# KiCad board HPM6E00FULLPORTRevB.kicad_pcb (continued)
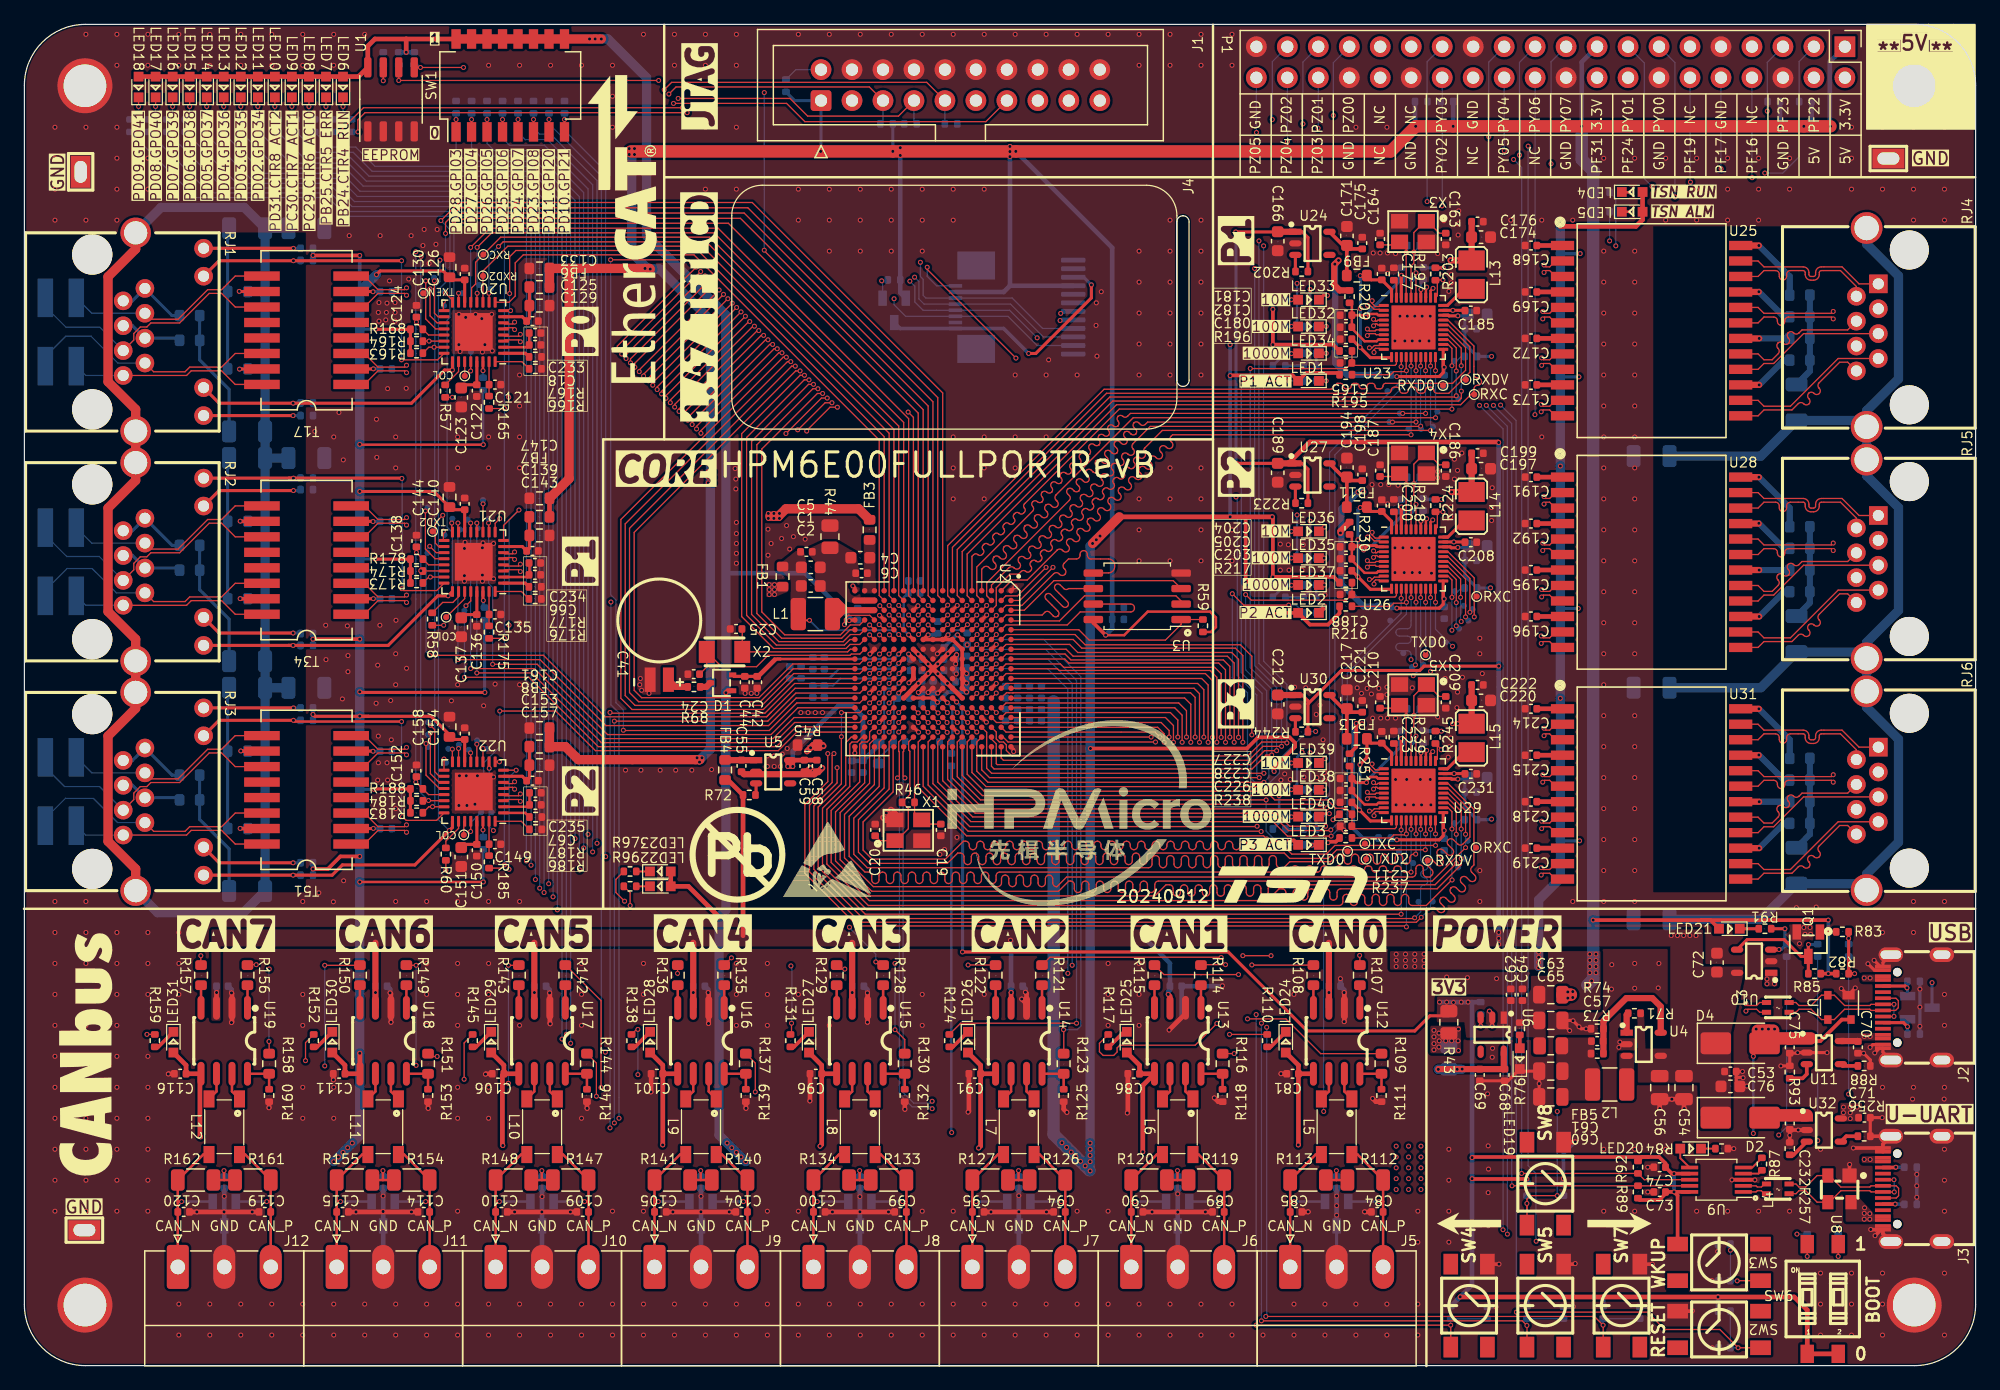
[diagram p0: board, top side]
## Placement (name value [footprint] x y rotation side) (continued)
LED36  LED_BLUE  [LED_0603]  105.3 68.42 0 top
LED37  LED_RED  [LED_0603]  105.3 64.02 0 top
LED38  LED_GREEN  [LED_0603]  105.3 47.22 0 top
LED39  LED_BLUE  [LED_0603]  105.3 49.42 0 top
LED40  LED_RED  [LED_0603]  105.3 45.02 0 top
MARK2  HPM Logo  [HPM LOGO 8]  75.68 37.72 0 top
MDC  0.5mm  [TestPoint_Pad_D0.5mm]  112.72 42.18 180 bottom
MDC#2  0.5mm  [TestPoint_Pad_D0.5mm]  111.78 79.92 180 bottom
NOREF  -  [unnamed]  4.96 104.96 0 top
NOREF#2  -  [unnamed]  4.96 4.96 0 top
NOREF#3  -  [unnamed]  154.96 104.96 0 top
NOREF#4  -  [unnamed]  154.96 4.96 0 top
P1  双排排针2.54mm-40P  [PinHeader_2x20_P2.54mm_Vertical]  149.28 108.17 270 top
Q1  2N7002  [SOT-23]  146.28 34.56 90 top
Q2  IRLML6401  [SOT-23]  71.32 86.54 90 bottom
R1  4.7K  [R_0402_1005Metric]  23.15 78.96 0 bottom
R2  4.7K  [R_0402_1005Metric]  23.15 90.64 0 bottom
R3  330Ω  [R_0402_1005Metric]  23.15 91.64 0 bottom
R4  330Ω  [R_0402_1005Metric]  23.15 77.92 0 bottom
R5  4.7K  [R_0402_1005Metric]  23.15 59.07 0 bottom
R6  4.7K  [R_0402_1005Metric]  23.15 72.79 0 bottom
R7  330Ω  [R_0402_1005Metric]  23.15 71.85 0 bottom
R8  330Ω  [R_0402_1005Metric]  23.15 60.04 0 bottom
R9  4.7K  [R_0402_1005Metric]  23.15 40.22 0 bottom
R10  4.7K  [R_0402_1005Metric]  23.15 52.92 0 bottom
R11  330Ω  [R_0402_1005Metric]  23.15 53.94 0 bottom
R12  330Ω  [R_0402_1005Metric]  23.15 41.24 0 bottom
R13  1K  [R_0402_1005Metric]  105.42 80.76 0 bottom
R14  1K  [R_0402_1005Metric]  105.42 61.74 0 bottom
R15  1K  [R_0402_1005Metric]  105.42 42.71 0 bottom
R16  1K  [R_0402_1005Metric]  130.5 96.23 0 bottom
R17  1K  [R_0402_1005Metric]  130.5 94.63 0 bottom
R18  4.7K  [R_0402_1005Metric]  44.29 103.22 270 bottom
R19  4.7K  [R_0402_1005Metric]  43.02 103.22 270 bottom
R20  4.7K  [R_0402_1005Metric]  41.75 103.22 270 bottom
R21  4.7K  [R_0402_1005Metric]  40.48 103.22 270 bottom
R22  4.7K  [R_0402_1005Metric]  39.21 103.22 270 bottom
R23  4.7K  [R_0402_1005Metric]  37.94 103.22 270 bottom
R24  4.7K  [R_0402_1005Metric]  36.67 103.22 270 bottom
R25  4.7K  [R_0402_1005Metric]  35.4 103.22 270 bottom
R26  1K  [R_0402_1005Metric]  26.82 101.69 90 bottom
R27  1K  [R_0402_1005Metric]  25.31 101.69 90 bottom
R28  1K  [R_0402_1005Metric]  23.8 101.69 90 bottom
R29  1K  [R_0402_1005Metric]  22.28 101.69 90 bottom
R30  1K  [R_0402_1005Metric]  20.77 101.69 90 bottom
R31  1K  [R_0402_1005Metric]  19.26 101.69 90 bottom
R32  1K  [R_0402_1005Metric]  17.74 101.69 90 bottom
R33  1K  [R_0402_1005Metric]  16.23 101.69 90 bottom
R34  1K  [R_0402_1005Metric]  14.72 101.69 90 bottom
R35  1K  [R_0402_1005Metric]  13.2 101.69 90 bottom
R36  1K  [R_0402_1005Metric]  11.69 101.69 90 bottom
R37  1K  [R_0402_1005Metric]  10.18 101.69 90 bottom
R38  1K  [R_0402_1005Metric]  8.66 101.69 90 bottom
R39  4.7K  [R_0402_1005Metric]  30.7 107.2 270 bottom
R40  10K  [R_0402_1005Metric]  29.43 107.2 90 bottom
R41  4.7K  [R_0402_1005Metric]  31.97 107.2 270 bottom
R42  0Ω  [R_0805_2012Metric]  116.8 25.21 90 bottom
R43  0Ω  [R_0805_2012Metric]  116.8 28.16 270 top
R44  0Ω  [R_0805_2012Metric]  66.06 67.99 270 top
R45  0Ω  [R_0603_1608Metric]  64.23 50.89 180 top
R46  1M  [R_0402_1005Metric]  72.48 46.19 0 top
R47  0Ω_0402  [R_0402_1005Metric]  37.61 80.51 90 bottom
R48  10K  [R_0402_1005Metric]  139.39 4.47 0 bottom
R49  10Ω  [R_0402_1005Metric]  76.01 49.7 90 bottom
R50  10K  [R_0402_1005Metric]  139.39 9.97 0 bottom
R51  0Ω_0402  [R_0402_1005Metric]  62.45 104.97 270 bottom
R52  0Ω_0402  [R_0402_1005Metric]  37.73 61.66 90 bottom
R53  10K  [R_0402_1005Metric]  75.99 101.84 180 bottom
R54  10K  [R_0402_1005Metric]  72.66 101.84 0 bottom
R55  10K  [R_0402_1005Metric]  70.7 101.84 180 bottom
R56  0Ω_0402  [R_0402_1005Metric]  37.63 42.84 90 bottom
R57  0Ω_0402  [R_0402_1005Metric]  34.51 79.92 270 top
R58  0Ω_0402  [R_0402_1005Metric]  33.44 61.23 270 top
R59  10K  [R_0402_1005Metric]  96.64 60.68 270 top
R60  0Ω_0402  [R_0402_1005Metric]  34.56 41.95 270 top
R68  51Ω  [R_0402_1005Metric]  54.9 55.67 0 top
R71  10K  [R_0402_1005Metric]  132.02 28.9 180 top
R72  10K  [R_0402_1005Metric]  59.44 46.8 0 top
R73  100K  [R_0402_1005Metric]  128.97 25.59 180 top
R74  22.1K  [R_0402_1005Metric]  128.97 27.63 0 top
R75  10K  [R_0402_1005Metric]  119.41 29.3 270 bottom
R76  1K  [R_0402_1005Metric]  122.62 27.63 90 top
R77  5.1K  [R_0402_1005Metric]  154.92 31.51 180 bottom
R78  5.1K  [R_0402_1005Metric]  154.67 16.27 180 bottom
R79  5.1K  [R_0402_1005Metric]  154.92 27.2 180 bottom
R80  5.1K  [R_0402_1005Metric]  154.67 13.23 180 bottom
R81  0Ω_0402  [R_0402_1005Metric]  149.59 34.05 90 bottom
R82  100K  [R_0402_1005Metric]  149.08 32.15 180 top
R83  10K  [R_0402_1005Metric]  149.08 35.58 0 top
R84  1K  [R_0402_1005Metric]  139.17 17.8 180 top
R85  10K  [R_0402_1005Metric]  146.79 32.15 0 top
R86  0Ω_0402  [R_0402_1005Metric]  147.05 34.05 270 bottom
R87  2K  [R_0402_1005Metric]  142.47 16.53 90 top
R88  10K  [R_0402_1005Metric]  150.86 24.58 180 top
R89  5.1K  [R_0402_1005Metric]  132.31 14.24 270 top
R90  0Ω_0402  [R_0402_1005Metric]  144.51 34.05 270 bottom
R91  1K  [R_0402_1005Metric]  142.73 35.83 180 top
R92  5.1K  [R_0402_1005Metric]  132.31 16.27 90 top
R93  330Ω  [R_0402_1005Metric]  144.76 24.07 270 top
R94  10K  [R_0402_1005Metric]  116.96 4.36 270 bottom
R95  10K  [R_0402_1005Metric]  123.21 4.36 270 bottom
R96  1K  [R_0402_1005Metric]  49.66 39.31 0 top
R97  1K  [R_0402_1005Metric]  49.66 40.53 0 top
R98  10K_0402  [R_0402_1005Metric]  146.19 10.28 90 bottom
R99  10K_0402  [R_0402_1005Metric]  148.73 10.28 90 bottom
R100  10K  [R_0402_1005Metric]  129.46 4.36 270 bottom
R101  10K  [R_0402_1005Metric]  123.21 14.44 270 bottom
R102  10K  [R_0402_1005Metric]  71.31 89.04 0 bottom
R103  10K  [R_0402_1005Metric]  146.04 103.67 0 bottom
R104  10K  [R_0402_1005Metric]  143.45 103.67 0 bottom
R105  10K  [R_0402_1005Metric]  114.54 103.67 180 bottom
R106  10K  [R_0402_1005Metric]  116.65 103.67 0 bottom
R107  75Ω_0603  [R_0603_1608Metric]  109.51 32.02 270 top
R108  75Ω_0603  [R_0603_1608Metric]  105.7 32.02 270 top
R109  75Ω_0603  [R_0603_1608Metric]  111.28 24.76 270 top
R110  1K  [R_0402_1005Metric]  101.91 26.65 270 top
R111  10K  [R_0402_1005Metric]  111.28 22.16 90 top
R112  60.4Ω_1206  [R_1206_3216Metric]  109.95 15.22 0 top
R113  60.4Ω_1206  [R_1206_3216Metric]  105.26 15.22 0 top
R114  75Ω_0603  [R_0603_1608Metric]  96.48 32.02 270 top
R115  75Ω_0603  [R_0603_1608Metric]  92.67 32.02 270 top
R116  75Ω_0603  [R_0603_1608Metric]  98.25 24.76 270 top
R117  1K  [R_0402_1005Metric]  88.88 26.65 270 top
R118  10K  [R_0402_1005Metric]  98.25 22.16 90 top
R119  60.4Ω_1206  [R_1206_3216Metric]  96.92 15.22 0 top
R120  60.4Ω_1206  [R_1206_3216Metric]  92.23 15.22 0 top
R121  75Ω_0603  [R_0603_1608Metric]  83.45 32.02 270 top
R122  75Ω_0603  [R_0603_1608Metric]  79.64 32.02 270 top
R123  75Ω_0603  [R_0603_1608Metric]  85.22 24.76 270 top
R124  1K  [R_0402_1005Metric]  75.85 26.65 270 top
R125  10K  [R_0402_1005Metric]  85.22 22.16 90 top
R126  60.4Ω_1206  [R_1206_3216Metric]  83.89 15.22 0 top
R127  60.4Ω_1206  [R_1206_3216Metric]  79.19 15.22 0 top
R128  75Ω_0603  [R_0603_1608Metric]  70.42 32.02 270 top
R129  75Ω_0603  [R_0603_1608Metric]  66.61 32.02 270 top
R130  75Ω_0603  [R_0603_1608Metric]  72.19 24.76 270 top
R131  1K  [R_0402_1005Metric]  62.82 26.65 270 top
R132  10K  [R_0402_1005Metric]  72.19 22.16 90 top
R133  60.4Ω_1206  [R_1206_3216Metric]  70.86 15.22 0 top
R134  60.4Ω_1206  [R_1206_3216Metric]  66.16 15.22 0 top
R135  75Ω_0603  [R_0603_1608Metric]  57.39 32.02 270 top
R136  75Ω_0603  [R_0603_1608Metric]  53.58 32.02 270 top
R137  75Ω_0603  [R_0603_1608Metric]  59.16 24.76 270 top
R138  1K  [R_0402_1005Metric]  49.79 26.65 270 top
R139  10K  [R_0402_1005Metric]  59.16 22.16 90 top
R140  60.4Ω_1206  [R_1206_3216Metric]  57.83 15.22 0 top
R141  60.4Ω_1206  [R_1206_3216Metric]  53.13 15.22 0 top
R142  75Ω_0603  [R_0603_1608Metric]  44.36 32.02 270 top
R143  75Ω_0603  [R_0603_1608Metric]  40.55 32.02 270 top
R144  75Ω_0603  [R_0603_1608Metric]  46.13 24.76 270 top
R145  1K  [R_0402_1005Metric]  36.76 26.65 270 top
R146  10K  [R_0402_1005Metric]  46.13 22.16 90 top
R147  60.4Ω_1206  [R_1206_3216Metric]  44.8 15.22 0 top
R148  60.4Ω_1206  [R_1206_3216Metric]  40.1 15.22 0 top
R149  75Ω_0603  [R_0603_1608Metric]  31.32 32.02 270 top
R150  75Ω_0603  [R_0603_1608Metric]  27.51 32.02 270 top
R151  75Ω_0603  [R_0603_1608Metric]  33.1 24.76 270 top
R152  1K  [R_0402_1005Metric]  23.73 26.65 270 top
R153  10K  [R_0402_1005Metric]  33.1 22.16 90 top
R154  60.4Ω_1206  [R_1206_3216Metric]  31.77 15.22 0 top
R155  60.4Ω_1206  [R_1206_3216Metric]  27.07 15.22 0 top
R156  75Ω_0603  [R_0603_1608Metric]  18.29 32.02 270 top
R157  75Ω_0603  [R_0603_1608Metric]  14.48 32.02 270 top
R158  75Ω_0603  [R_0603_1608Metric]  20.07 24.76 270 top
R159  1K  [R_0402_1005Metric]  10.69 26.65 270 top
R160  10K  [R_0402_1005Metric]  20.07 22.16 90 top
R161  60.4Ω_1206  [R_1206_3216Metric]  18.74 15.22 0 top
R162  60.4Ω_1206  [R_1206_3216Metric]  14.04 15.22 0 top
R163  4.7K  [R_0402_1005Metric]  32.17 83.04 180 top
R164  4.7K  [R_0402_1005Metric]  32.17 84.01 180 top
R165  0Ω_0402  [R_0402_1005Metric]  38.1 79 270 top
R166  0Ω_0402  [R_0402_1005Metric]  41.89 81.75 180 top
R167  2.49K  [R_0402_1005Metric]  41.89 82.73 180 top
R168  10K  [R_0402_1005Metric]  32.17 84.99 0 top
R169  75Ω_0603  [R_0603_1608Metric]  17.5 88.09 0 bottom
R170  75Ω_0603  [R_0603_1608Metric]  17.5 81.74 0 bottom
R171  75Ω_0603  [R_0603_1608Metric]  13.55 84.09 180 bottom
R172  75Ω_0603  [R_0603_1608Metric]  13.55 86.12 180 bottom
R173  4.7K  [R_0402_1005Metric]  32.17 64.19 180 top
R174  4.7K  [R_0402_1005Metric]  32.17 65.17 180 top
R175  0Ω_0402  [R_0402_1005Metric]  38.1 60.16 270 top
R176  0Ω_0402  [R_0402_1005Metric]  41.88 62.88 180 top
R177  2.49K  [R_0402_1005Metric]  41.88 63.87 180 top
R178  10K  [R_0402_1005Metric]  32.17 66.14 0 top
R179  75Ω_0603  [R_0603_1608Metric]  17.5 69.24 0 bottom
R180  75Ω_0603  [R_0603_1608Metric]  17.5 62.89 0 bottom
R181  75Ω_0603  [R_0603_1608Metric]  13.55 65.24 180 bottom
R182  75Ω_0603  [R_0603_1608Metric]  13.55 67.27 180 bottom
R183  4.7K  [R_0402_1005Metric]  32.17 45.34 180 top
R184  4.7K  [R_0402_1005Metric]  32.17 46.32 180 top
R185  0Ω_0402  [R_0402_1005Metric]  38.1 41.31 270 top
R186  0Ω_0402  [R_0402_1005Metric]  41.92 43.98 180 top
R187  2.49K  [R_0402_1005Metric]  41.92 44.99 180 top
R188  10K  [R_0402_1005Metric]  32.17 47.3 0 top
R189  75Ω_0603  [R_0603_1608Metric]  17.5 50.4 0 bottom
R190  75Ω_0603  [R_0603_1608Metric]  17.5 44.05 0 bottom
R191  75Ω_0603  [R_0603_1608Metric]  13.55 46.4 180 bottom
R192  75Ω_0603  [R_0603_1608Metric]  13.55 48.43 180 bottom
R193  1M  [R_0402_1005Metric]  113.91 91.86 180 bottom
R194  4.7K  [R_0402_1005Metric]  118.61 82.77 180 bottom
R195  4.7K  [R_0402_1005Metric]  108.35 81.27 0 top
R196  10K  [R_0402_1005Metric]  108.35 83.21 0 top
R197  2.49K  [R_0402_1005Metric]  112.3 89.53 270 top
R198  0Ω  [R_0402_1005Metric]  102.89 82.01 180 bottom
R199  0Ω  [R_0402_1005Metric]  102.89 83.02 0 bottom
R200  4.7K  [R_0402_1005Metric]  102.89 85.22 180 bottom
R201  4.7K  [R_0402_1005Metric]  114.71 89.58 90 bottom
R202  4.7K  [R_0402_1005Metric]  104.74 89.73 180 top
R203  4.7K  [R_0402_1005Metric]  115.71 89.53 90 top
R204  330Ω  [R_0402_1005Metric]  102.89 87.42 180 bottom
R205  330Ω  [R_0402_1005Metric]  105.42 85.22 180 bottom
R206  330Ω  [R_0402_1005Metric]  105.42 83.03 180 bottom
R207  330Ω  [R_0402_1005Metric]  105.42 82.01 180 bottom
R208  0Ω  [R_0402_1005Metric]  111.55 81.26 0 bottom
R209  0Ω  [R_0402_1005Metric]  108.66 87.67 270 top
R210  75Ω  [R_0603_1608Metric]  145.58 82.46 180 bottom
R211  75Ω  [R_0603_1608Metric]  145.58 84.24 180 bottom
R212  75Ω  [R_0603_1608Metric]  145.58 86.02 180 bottom
R213  75Ω  [R_0603_1608Metric]  145.58 87.8 180 bottom
R214  1M  [R_0402_1005Metric]  113.91 72.87 180 bottom
R215  4.7K  [R_0402_1005Metric]  118.61 63.77 180 bottom
R216  4.7K  [R_0402_1005Metric]  108.35 62.27 0 top
R217  10K  [R_0402_1005Metric]  108.35 64.22 0 top
R218  2.49K  [R_0402_1005Metric]  112.3 70.53 270 top
R219  0Ω  [R_0402_1005Metric]  102.89 63.01 180 bottom
R220  0Ω  [R_0402_1005Metric]  102.89 64.02 0 bottom
R221  4.7K  [R_0402_1005Metric]  102.89 66.22 180 bottom
R222  4.7K  [R_0402_1005Metric]  114.71 70.63 90 bottom
R223  4.7K  [R_0402_1005Metric]  104.74 70.74 180 top
R224  4.7K  [R_0402_1005Metric]  115.71 70.53 90 top
R225  330Ω  [R_0402_1005Metric]  102.89 68.42 180 bottom
R226  330Ω  [R_0402_1005Metric]  105.42 66.22 180 bottom
R227  330Ω  [R_0402_1005Metric]  105.42 64.03 180 bottom
R228  330Ω  [R_0402_1005Metric]  105.42 63.01 180 bottom
R229  0Ω  [R_0402_1005Metric]  111.55 62.26 0 bottom
R230  0Ω  [R_0402_1005Metric]  108.66 68.68 270 top
R231  75Ω  [R_0603_1608Metric]  145.58 63.47 180 bottom
R232  75Ω  [R_0603_1608Metric]  145.58 65.25 180 bottom
R233  75Ω  [R_0603_1608Metric]  145.58 67.02 180 bottom
R234  75Ω  [R_0603_1608Metric]  145.58 68.8 180 bottom
R235  1M  [R_0402_1005Metric]  113.91 53.87 180 bottom
R236  4.7K  [R_0402_1005Metric]  118.61 44.77 180 bottom
R237  4.7K  [R_0402_1005Metric]  108.35 43.27 0 top
R238  10K  [R_0402_1005Metric]  108.35 45.22 0 top
R239  2.49K  [R_0402_1005Metric]  112.3 51.53 270 top
R240  0Ω  [R_0402_1005Metric]  102.89 44.01 180 bottom
R241  0Ω  [R_0402_1005Metric]  102.89 45.02 0 bottom
R242  4.7K  [R_0402_1005Metric]  102.89 47.22 180 bottom
R243  4.7K  [R_0402_1005Metric]  114.71 51.58 90 bottom
R244  4.7K  [R_0402_1005Metric]  104.74 51.98 180 top
R245  4.7K  [R_0402_1005Metric]  115.71 51.53 90 top
R246  330Ω  [R_0402_1005Metric]  102.89 49.42 180 bottom
R247  330Ω  [R_0402_1005Metric]  105.42 47.22 180 bottom
R248  330Ω  [R_0402_1005Metric]  105.42 45.03 180 bottom
R249  330Ω  [R_0402_1005Metric]  105.42 44.01 180 bottom
R250  0Ω  [R_0402_1005Metric]  111.55 43.26 0 bottom
R251  0Ω  [R_0402_1005Metric]  108.66 49.68 270 top
R252  75Ω  [R_0603_1608Metric]  145.58 44.47 180 bottom
R253  75Ω  [R_0603_1608Metric]  145.58 46.25 180 bottom
R254  75Ω  [R_0603_1608Metric]  145.58 48.02 180 bottom
R255  75Ω  [R_0603_1608Metric]  145.58 49.8 180 bottom
R256  10K  [R_0402_1005Metric]  150.86 18.81 180 top
R257  330Ω  [R_0402_1005Metric]  144.76 17.8 270 top
REF**  Val**  [探针]  152.85 99 180 top
Ref**  Val**  [ESD]  62.19 38.42 0 top
REF**#2  Val**  [探针]  4.92 11.12 0 top
REF**#3  -  [PB]  54.31 45.84 0 top
REF**#4  Val**  [探针]  4.61 97.91 90 top
REF***  HPM LOGO  [EtherCAT_2]  50.46 94.05 90 top
RJ1  R-RJ45R08P-C000  [RJ45-TH_R-RJ45R08P-C000]  11.4 84.78 270 top
RJ2  R-RJ45R08P-C000  [RJ45-TH_R-RJ45R08P-C000]  11.4 65.93 270 top
RJ3  R-RJ45R08P-C000  [RJ45-TH_R-RJ45R08P-C000]  11.4 47.08 270 top
RJ4  HC-RJ45-5JA-1-4  [RJ45-TH_HC-RJ45-5JA-1-4]  151.12 85.15 90 top
RJ5  HC-RJ45-5JA-1-4  [RJ45-TH_HC-RJ45-5JA-1-4]  151.12 66.15 90 top
RJ6  HC-RJ45-5JA-1-4  [RJ45-TH_HC-RJ45-5JA-1-4]  151.12 47.15 90 top
RXC  0.5mm  [TestPoint_Pad_D0.5mm]  37.63 91.13 180 top
RXC#2  0.5mm  [TestPoint_Pad_D0.5mm]  119.04 42.48 0 top
RXC#3  0.5mm  [TestPoint_Pad_D0.5mm]  118.89 79.64 0 top
RXC#4  0.5mm  [TestPoint_Pad_D0.5mm]  119.09 63.08 0 top
RXC#5  0.5mm  [TestPoint_Pad_D0.5mm]  36.34 69.38 0 bottom
RXC#6  0.5mm  [TestPoint_Pad_D0.5mm]  36.44 50.51 0 bottom
RXD0  0.5mm  [TestPoint_Pad_D0.5mm]  116.32 80.38 0 top
RXD0#2  0.5mm  [TestPoint_Pad_D0.5mm]  118.4 61.1 180 bottom
RXD0#3  0.5mm  [TestPoint_Pad_D0.5mm]  118.35 43.04 180 bottom
RXD1  0.5mm  [TestPoint_Pad_D0.5mm]  118.13 41.57 180 bottom
RXD1#2  0.5mm  [TestPoint_Pad_D0.5mm]  38.32 45.38 0 bottom
RXD1#3  0.5mm  [TestPoint_Pad_D0.5mm]  38.27 88.31 0 bottom
RXD1#4  0.5mm  [TestPoint_Pad_D0.5mm]  118.16 80.91 180 bottom
RXD1#5  0.5mm  [TestPoint_Pad_D0.5mm]  118.02 62.32 180 bottom
RXD2  0.5mm  [TestPoint_Pad_D0.5mm]  37.61 89.37 180 top
RXD2#2  0.5mm  [TestPoint_Pad_D0.5mm]  117.64 60.44 180 bottom
RXD2#3  0.5mm  [TestPoint_Pad_D0.5mm]  37.61 70.98 0 bottom
RXD2#4  0.5mm  [TestPoint_Pad_D0.5mm]  117.59 79.26 180 bottom
RXD2#5  0.5mm  [TestPoint_Pad_D0.5mm]  37.94 50.59 0 bottom
RXD2#6  0.5mm  [TestPoint_Pad_D0.5mm]  117.57 40.86 180 bottom
RXD3  0.5mm  [TestPoint_Pad_D0.5mm]  117.26 44.49 180 bottom
RXD3#2  0.5mm  [TestPoint_Pad_D0.5mm]  37.28 88.64 0 bottom
RXD3#3  0.5mm  [TestPoint_Pad_D0.5mm]  37.12 51.27 0 bottom
RXD3#4  0.5mm  [TestPoint_Pad_D0.5mm]  117.26 82.41 180 bottom
RXD3#5  0.5mm  [TestPoint_Pad_D0.5mm]  117.29 63.52 180 bottom
RXDV  0.5mm  [TestPoint_Pad_D0.5mm]  115.06 41.43 0 top
RXDV#2  0.5mm  [TestPoint_Pad_D0.5mm]  118.2 80.86 0 top
RXDV#3  0.5mm  [TestPoint_Pad_D0.5mm]  118.76 62.04 180 bottom
RXER  0.5mm  [TestPoint_Pad_D0.5mm]  36.62 83.15 0 bottom
RXER#2  0.5mm  [TestPoint_Pad_D0.5mm]  36.08 61.92 0 bottom
RXER#3  0.5mm  [TestPoint_Pad_D0.5mm]  37.45 45.38 0 bottom
SW1  DSHP08TS-S  [SW_DIP_SPSTx08_Slide_Copal_CHS-08B_W7.62mm_P1.27mm]  39.84 104.99 90 top
SW2  轻触开关4.5mm*4.5mm*4mm  [轻触开关SMD-4P,4.5x4.5mm]  138.96 2.96 180 top
SW3  轻触开关4.5mm*4.5mm*4mm  [轻触开关SMD-4P,4.5x4.5mm]  138.96 8.46 180 top
SW4  轻触开关4.5mm*4.5mm*4mm  [轻触开关SMD-4P,4.5x4.5mm]  118.46 4.92 90 top
SW5  轻触开关4.5mm*4.5mm*4mm  [轻触开关SMD-4P,4.5x4.5mm]  124.71 4.92 90 top
SW6  拨码开关  [SW-SMD_DM-02-V]  147.46 5.46 0 top
SW7  轻触开关4.5mm*4.5mm*4mm  [轻触开关SMD-4P,4.5x4.5mm]  130.96 4.92 90 top
SW8  轻触开关4.5mm*4.5mm*4mm  [轻触开关SMD-4P,4.5x4.5mm]  124.71 14.92 90 top
T17  网口变压器11FB-05NL  [H1102_XFMR16_SM]  23.14 84.92 180 top
T34  网口变压器11FB-05NL  [H1102_XFMR16_SM]  23.14 66.07 180 top
T51  网口变压器11FB-05NL  [H1102_XFMR16_SM]  23.14 47.22 180 top
T78  0.5mm  [TestPoint_Pad_D0.5mm]  112 61.1 180 bottom
TRXD1  0.5mm  [TestPoint_Pad_D0.5mm]  38.06 69.46 0 bottom
TRXD3  0.5mm  [TestPoint_Pad_D0.5mm]  37.18 68.67 0 bottom
TXC  0.5mm  [TestPoint_Pad_D0.5mm]  109.92 42.81 0 top
TXC#2  0.5mm  [TestPoint_Pad_D0.5mm]  35.63 50.92 0 bottom
TXC#3  0.5mm  [TestPoint_Pad_D0.5mm]  35.91 87.95 0 bottom
TXC#4  0.5mm  [TestPoint_Pad_D0.5mm]  115.86 78.25 180 bottom
TXC#5  0.5mm  [TestPoint_Pad_D0.5mm]  116.55 59.32 180 bottom
TXC#6  0.5mm  [TestPoint_Pad_D0.5mm]  35.73 68.57 0 bottom
TXD0  0.5mm  [TestPoint_Pad_D0.5mm]  114.9 58.28 0 top
TXD0#2  0.5mm  [TestPoint_Pad_D0.5mm]  108.5 42.18 0 top
TXD0#3  0.5mm  [TestPoint_Pad_D0.5mm]  112.79 78.09 180 bottom
TXD0#4  0.5mm  [TestPoint_Pad_D0.5mm]  34.43 88.08 0 bottom
TXD0#5  0.5mm  [TestPoint_Pad_D0.5mm]  34.76 50.59 0 bottom
TXD0#6  0.5mm  [TestPoint_Pad_D0.5mm]  35.09 69.46 0 bottom
TXD1  0.5mm  [TestPoint_Pad_D0.5mm]  114.72 57.5 180 bottom
TXD1#2  0.5mm  [TestPoint_Pad_D0.5mm]  114.32 38.04 180 bottom
TXD1#3  0.5mm  [TestPoint_Pad_D0.5mm]  34.46 68.14 0 bottom
TXD1#4  0.5mm  [TestPoint_Pad_D0.5mm]  114.52 76.82 180 bottom
TXD1#5  0.5mm  [TestPoint_Pad_D0.5mm]  34.58 49.44 0 bottom
TXD1#6  0.5mm  [TestPoint_Pad_D0.5mm]  34.41 86.93 0 bottom
TXD2  0.5mm  [TestPoint_Pad_D0.5mm]  110.02 41.54 0 top
TXD2#2  0.5mm  [TestPoint_Pad_D0.5mm]  33.47 68.42 180 top
TXD2#3  0.5mm  [TestPoint_Pad_D0.5mm]  113.78 57.29 180 bottom
TXD2#4  0.5mm  [TestPoint_Pad_D0.5mm]  111.93 77.38 180 bottom
TXD2#5  0.5mm  [TestPoint_Pad_D0.5mm]  33.09 52.77 0 bottom
TXD2#6  0.5mm  [TestPoint_Pad_D0.5mm]  33.59 89.22 0 bottom
TXD3  0.5mm  [TestPoint_Pad_D0.5mm]  113.07 58.44 180 bottom
TXD3#2  0.5mm  [TestPoint_Pad_D0.5mm]  113.88 41.21 180 bottom
TXD3#3  0.5mm  [TestPoint_Pad_D0.5mm]  33.09 51.76 0 bottom
TXD3#4  0.5mm  [TestPoint_Pad_D0.5mm]  113.5 76.82 180 bottom
TXD3#5  0.5mm  [TestPoint_Pad_D0.5mm]  33.06 66.66 0 bottom
TXD3#6  0.5mm  [TestPoint_Pad_D0.5mm]  33.06 88.1 0 bottom
TXEN  0.5mm  [TestPoint_Pad_D0.5mm]  32.71 87.95 180 top
TXEN#2  0.5mm  [TestPoint_Pad_D0.5mm]  33.06 70.37 0 bottom
TXEN#3  0.5mm  [TestPoint_Pad_D0.5mm]  115.48 38.06 180 bottom
TXEN#4  0.5mm  [TestPoint_Pad_D0.5mm]  33.11 50.74 0 bottom
TXEN#5  0.5mm  [TestPoint_Pad_D0.5mm]  115.51 77 180 bottom
TXEN#6  0.5mm  [TestPoint_Pad_D0.5mm]  115.48 59.32 180 bottom
U1  CAT24C128WI-GT3  [SOP-8_3.9x4.9mm_P1.27mm]  30.06 103.85 90 top
U2  HPM6E00BGA289_BDIF  [BGA-289_17x17_14.0x14.0mm]  74.5 57.15 270 top
U3  MX25L12833FM2I-10G  [SOIC8_208mil]  91.25 63.09 180 top
U4  SM8082AAAC  [SOT-23-5]  132.78 26.36 0 top
U5  LP5907MFX-3.3/NOPB  [SOT-23-5]  61.39 48.7 0 top
U6  LP5907MFX-1.8/NOPB  [SOT-23-5]  120.36 27.14 270 top
U7  PRTR5V0U2X  [SOT-143]  148.83 29.38 270 top
U8  -  [PRTR5V0U2X]  148.83 14.5 270 top
U9  CH340E  [MSOP-10]  138.75 15.25 180 top
U10  AP2151WG-7  [SOT-23-5]  141.84 33.17 180 top
U11  PW1515  [SOT-23-5]  147.55 25.67 0 top
U12  TJA1042T/3/1J  [SOIC-8]  108.6 28.64 270 top
U13  TJA1042T/3/1J  [SOIC-8]  95.57 28.64 270 top
U14  TJA1042T/3/1J  [SOIC-8]  82.54 28.64 270 top
U15  TJA1042T/3/1J  [SOIC-8]  69.51 28.64 270 top
U16  TJA1042T/3/1J  [SOIC-8]  56.48 28.64 270 top
U17  TJA1042T/3/1J  [SOIC-8]  43.45 28.64 270 top
U18  TJA1042T/3/1J  [SOIC-8]  30.42 28.64 270 top
U19  TJA1042T/3/1J  [SOIC-8]  17.39 28.64 270 top
U20  JL1111-N032I  [QFN-32-1EP_5x5mm_P0.5mm_EP3.1x3.1mm]  36.85 84.77 180 top
U21  JL1111-N032I  [QFN-32-1EP_5x5mm_P0.5mm_EP3.1x3.1mm]  36.85 65.93 180 top
U22  JL1111-N032I  [QFN-32-1EP_5x5mm_P0.5mm_EP3.1x3.1mm]  36.85 47.08 180 top
U23  YT8531  [QFN-40-1EP_5x5mm_P0.4mm_EP3.6x3.6mm]  113.91 85.15 0 top
U24  LP5907MFX-3.3/NOPB  [SOT-23-5]  105.62 92.04 0 top
U25  H5007NL  [PULSE_H5007NL]  133.43 84.88 0 top
U26  YT8531  [QFN-40-1EP_5x5mm_P0.4mm_EP3.6x3.6mm]  113.91 66.15 0 top
U27  LP5907MFX-3.3/NOPB  [SOT-23-5]  105.62 73.05 0 top
U28  H5007NL  [PULSE_H5007NL]  133.43 65.89 0 top
U29  YT8531  [QFN-40-1EP_5x5mm_P0.4mm_EP3.6x3.6mm]  113.91 47.15 0 top
U30  LP5907MFX-3.3/NOPB  [SOT-23-5]  105.62 54.05 0 top
U31  H5007NL  [PULSE_H5007NL]  133.43 46.89 0 top
U32  PW1515  [SOT-23-5]  147.55 19.32 0 top
X1  24MHz ±10ppm 12pF  [3225]  72.48 43.91 0 top
X2  32.768kHz,12.5pF  [3215]  57.41 58.54 0 top
X3  25MHz_±10ppm_12pF  [3225]  113.86 93.01 180 top
X4  25MHz_±10ppm_12pF  [3225]  113.86 74.01 180 top
X5  25MHz_±10ppm_12pF  [3225]  113.86 55.01 180 top

## Library data of the parts
C1 C2 C4 C76 = -: Description: 0603; Company: SAMSUNG(三星); Model: CL10A226MP8NUNE
C3 C11 C15 C16 C28 C46 C48 C49 C51 C55 C64 C73 C124 C138 C152 = -: Description: 0402; Company: SAMSUNG(三星); Model: CL05A475MP5NRNC
C5-C10 C12-C14 C21-C23 C26 C27 C29-C31 C34 C35 C37-C40 C42 C43 C45 C47 C50 C52 C53 C58 C62 C68 C74 C77-C82 C86 C87 C91 C92 C96 C97 C101 C102 C106 C107 C111 C112 C116 C117 C126 C129 C140 C143 C154 C157 = -: Description: 0402; Company: SAMSUNG(三星); Model: CL05B104KO5NNNC
C17 = -: Description: 0402; Company: muRata(村田); Model: GRM158R61A226ME15D
C18 C66 C67 = -: Description: 0402; ASSY_OPT: DNP; Company: SAMSUNG(三星); Model: 0402B104K500NT
C19 C20 = -: Description: 0402; Company: YAGEO(国巨); Model: CC0402JRNPO9BN120
C24 C25 = -: Description: 0402; Company: SAMSUNG(三星); Model: CL05C150JB5NNNC
C32 C44 C59 C69 = -: Description: 0402; Company: SAMSUNG(三星); Model: CL05A106MP5NUNC
C33 C36 = -: Description: 0402; Company: SAMSUNG(三星); Model: CL05A106MQ5NUNC
C41 = -: Description: 超级电容_0.22F/3.3V; Company: KORCHIP(高奇普); Model: DMS3R3224R; SuppliersPartNumber: C113705
C54 C56 C60 C61 C63 C65 = -: Description: 0805; Company: SAMSUNG(三星); Model: CL21A226MOQNNNE
C57 C163 C164 C186 C187 C209 C210 = -: Description: 0402; Company: SAMSUNG(三星); Model: CL05C220JB5NNNC
C70 C71 C75 C232 = -: Description: 0402; Company: SAMSUNG(三星); Model: CL05A105KO5NNNC
C72 C123 C137 C151 = -: Description: 0603; Company: SAMSUNG(三星); Model: CL10A106KO8NQNC
C83 C88 C93 C98 C103 C108 C113 C118 = -: Description: 0402; Company: SAMSUNG(三星); Model: CL05B103KB5NNNC
C84 C85 C89 C90 C94 C95 C99 C100 C104 C105 C109 C110 C114 C115 C119 C120 = -: Description: 0402; Company: YAGEO(国巨); Model: CC0402JRNPO9BN470
C121 C135 C149 = -: Description: 0402; ASSY_OPT: DNP; Company: SAMSUNG(三星); Model: CL05B104KO5NNNC
C122 C127 C128 C136 C141 C142 C150 C155 C156 C165 C168-C170 C172 C173 C175-C182 C185 C188 C191-C193 C195 C196 C198-C205 C208 C211 C214-C216 C218 C219 C221-C228 C231 = -: Description: 0402; Company: SAMSUNG(三星); Model: 0402B104K500NT
C125 C130 C133 C139 C144 C147 C153 C158 C161 = -: Description: 0603; Company: SAMSUNG(三星); Model: CL10A106KP8NNNC
C131 C132 C134 C145 C146 C148 C159 C160 C162 C183 C184 C206 C207 C229 C230 = -: Description: 1206; Company: FH(风华); Model: 1206B102K202NT
C166 C167 C171 C174 C189 C190 C194 C197 C212 C213 C217 C220 = -: Description: 0603; Company: SAMSUNG(三星); Model: CL10A475KO8NNNC
C233-C235 = -: Description: 0402; ASSY_OPT: DNP; Company: SAMSUNG(三星); Model: CL05A105KP5NNNC
COL COL#2 COL#3 COUT COUT#2 COUT#3 MDC MDC#2 RXC RXC#2-RXC#6 RXD0 RXD0#2 RXD0#3 RXD1 RXD1#2-RXD1#5 RXD2 RXD2#2-RXD2#6 RXD3 RXD3#2-RXD3#5 RXDV RXDV#2 RXDV#3 RXER RXER#2 RXER#3 T78 TRXD1 TRXD3 TXC TXC#2-TXC#6 TXD0 TXD0#2-TXD0#6 TXD1 TXD1#2-TXD1#6 TXD2 TXD2#2-TXD2#6 TXD3 TXD3#2-TXD3#6 TXEN TXEN#2-TXEN#6 = -: Description: test point
D1 = -: Description: 肖特基二极管，30V; Company: Nexperia(安世)
D2 = -: Description: 肖特基二极管，40V,2A; Company: 晶导微电子
D3 = -: Description: 肖特基二极管，一输入，同向两输出; Company: DIODES(美台)
D4 = -: Description: 肖特基二极管，40V,3A; Company: YANGJIE(扬杰)
D5-D12 = -: Description: 静电放电(ESD)保护器件; Company: TECH PUBLIC(台舟); Field5: TECH PUBLIC(台舟)
FB1-FB4 FB6-FB9 FB11 FB13 = -: Description: PZ1608D101-2R0TF; Company: Sunlord(顺络); Model: PZ1608D101-2R0TF
FB5 = -: Description: PZ2012U101-2R0TF; Company: Sunlord(顺络); Model: PZ2012U101-2R0TF
J1 = -: Description: Standard IDC20 Pinheader Connector, ARM legacy JTAG and SWD interface
J2 J3 = -: Description: USB连接器; Company: kinghelm(金航标); Model: KH-TYPE-C-16P
J5-J12 = -: Description: 插拔式接线端子,弯针; Company: 品牌: KEFA(科发); Model: KF2EDGR-3.81-3P
J13-J15 = -: ASSY_OPT: DNP
L1 = -: Description: DFE322520FD-4R7M=P2; Company: muRata(村田); Model: DFE322520FD-4R7M=P2
L2 = -: Description: DFE322512F-4R7M=P2; Company: muRata(村田); Model: DFE322512F-4R7M=P2
L3 L4 = -: Description: 共模滤波器; Company: muRata(村田)
L5-L12 = -: Description: 共模滤波器; Company: TDK
L13-L15 = -: Description: DFE252010F-2R2M; Company: muRata(村田); Model: DFE252010F-2R2M
LED1 LED5 LED7 LED10-LED19 LED24-LED31 LED34 LED37 LED40 = -: Company: 国星光电; Model: NCD0603R1
LED2 LED4 LED6 LED9 LED20-LED23 LED32 LED35 LED38 = -: Company: 国星光电; Model: NCD0603C1
LED3 LED8 LED33 LED36 LED39 = -: Company: 国星光电; Model: NCD0603B1
P1 = -: Description: P2.54; Company: BOOMELE(博穆精密); Model: 2.54mm 2*20P直针
Q1 = -: Description: 场效应管 N沟道; Company: CJ(江苏长电/长晶)
Q2 = -: Description: 场效应管 P沟道; Company: UMW(友台半导体)
R1 R2 R5 R6 R9 R10 R18-R25 R39 R41 R163 R164 R173 R174 R183 R184 R194 R195 R200 R202 R203 R215 R216 R221 R223 R224 R236 R237 R242 R244 R245 = -: Description: Resistor; Company: UNI-ROYAL(厚声); Model: 0402WGF4701TCE
R3 R4 R7 R8 R11 R12 R93 R204-R206 R225-R227 R246-R248 R257 = -: Description: Resistor; Company: UNI-ROYAL(厚声); Model: 0402WGF3300TCE
R13-R17 R26-R38 R76 R84 R91 R96 R97 R110 R117 R124 R131 R138 R145 R152 R159 = -: Description: Resistor; Company: UNI-ROYAL(厚声); Model: 0402WGF1001TCE
R40 R48 R50 R53-R55 R59 R71 R72 R75 R83 R85 R88 R94 R95 R98-R106 R111 R118 R125 R132 R139 R146 R153 R160 R168 R178 R188 R196 R217 R238 R256 = -: Description: Resistor; Company: UNI-ROYAL(厚声); Model: 0402WGF1002TCE
R42 = -: Description: Resistor; ASSY_OPT: DNP; Company: FH(风华); Model: RS-05000JT
R43 R44 = -: Description: Resistor; Company: FH(风华); Model: RS-05000JT
R45 = -: Description: Resistor; Company: UNI-ROYAL(厚声); Model: 0603WAF0000T5E
R46 R193 R214 R235 = -: Description: Resistor; Company: UNI-ROYAL(厚声); Model: CQ02WGJ0105TCE
R47 R51 R52 R56-R58 R60 R81 R86 R90 R166 R176 R186 R199 R220 R241 = -: Description: Resistor; ASSY_OPT: DNP; Company: YAGEO(国巨); Model: RC0402JR-070RL
R49 = -: Description: Resistor; Company: UNI-ROYAL(厚声); Model: 0402WGF100JTCE
R68 = -: Description: Resistor; Company: UNI-ROYAL(厚声); Model: 0402WGF510JTCE
R73 R82 = -: Description: Resistor; Company: UNI-ROYAL(厚声); Model: 0402WGF1003TCE
R74 = -: Description: Resistor; Company: UNI-ROYAL(厚声); Model: 0402WGF2212TCE
R77 R79 = -: Description: Resistor; ASSY_OPT: DNP; Company: UNI-ROYAL(厚声); Model: 0402WGF5101TCE
R78 R80 R89 R92 = -: Description: Resistor; Company: UNI-ROYAL(厚声); Model: 0402WGF5101TCE
R87 = -: Description: Resistor; Company: UNI-ROYAL(厚声); Model: 0402WGF2001TCE
R107-R109 R114-R116 R121-R123 R128-R130 R135-R137 R142-R144 R149-R151 R156-R158 R169-R172 R179-R182 R189-R192 R210-R213 R231-R234 R252-R255 = -: Description: Resistor; Company: UNI-ROYAL(厚声); Model: 0603WAF750JT5E
R112 R113 R119 R120 R126 R127 R133 R134 R140 R141 R147 R148 R154 R155 R161 R162 = -: Description: Resistor; Company: UNI-ROYAL(厚声); Model: 1206W4F604JT5E
R165 R175 R185 R198 R208 R209 R219 R229 R230 R240 R250 R251 = -: Description: Resistor; Company: YAGEO(国巨); Model: RC0402JR-070RL
R167 R177 R187 R197 R218 R239 = -: Description: Resistor; Company: FH(风华); Model: RC-02W2491FT
R201 R222 R243 = -: Description: Resistor; ASSY_OPT: DNP; Company: UNI-ROYAL(厚声); Model: 0402WGF4701TCE
R207 R228 R249 = -: Description: Resistor; ASSY_OPT: DNP; Company: UNI-ROYAL(厚声); Model: 0402WGF3300TCE
RJ1-RJ3 = -: Description: 以太网连接器(RJ45 RJ11) 无弹片; Company: Ckmtw(灿科盟)
RJ4-RJ6 = -: Description: 不带灯 无弹片  以太网连接器(RJ45 RJ11); Company: HCTL(华灿天禄)
SW1 = -: Description: 拨码开关; Company: XKB Connection(中国星坤)
SW2-SW5 SW7 SW8 = -: Company: SHOU HAN(首韩); Model: TS4540TP
SW6 = -: Company: 圜达; Model: DM-02-V
T17 T34 T51 = -: Description: 网口变压器; Company: YDS(元册科技); Model: 11FB-05NL
U1 = -: Description: 128 kb CMOS Serial EEPROM, SOIC-8/TSSOP-8/DFN-8; Canpany: onsemi(安森美)
U3 = -: Description: NOR FLASH; Company: MXIC(旺宏电子)
U4 = -: Description: DC-DC; Company: silergy(矽力杰)
U5 U24 U27 U30 = -: Description: 稳压3.3V,LDO; Company: TI
U6 = -: Description: 稳压1.8V,LDO; Company: TI
U7 U8 = -: Description: 静电放电(ESD)保护器件; Company: TECH PUBLIC(台舟)
U9 = -: Description: USB转串口芯片; Company: WCH(南京沁恒)
U10 = -: Description: 功率电子开关; Company: DIODES(美台)
U11 U32 = -: Description: OVP，过压过流保护; Company: 平芯微
U12-U19 = -: Description: CAN芯片; Company: NXP(恩智浦)
U20-U22 = -: Description: 10BASE-T/100BASE-TX PHY with RMII Support, 25 MHz input clock, LQFP-48; Company: JLSEMI/景略
U23 U26 U29 = -: Description: 以太网芯片; Company: Motorcomm（裕太微）; Model: YT8531C
U25 U28 U31 = -: Description: 网口变压器; Company: PULSE
X1 = -: Company: EPSON(爱普生); Model: X1E0000210129
X2 = -: Company: EPSON(爱普生); Model: FC-135 32.7680KA-AC
X3-X5 = -: Company: YXC(扬兴晶振); Model: X322525MOB4SI

## Footprints (pads in the part's own frame, mm; a bottom-side part is the same pattern mirrored in y, then rotated)
3215
  rect 1.3x1.801 smd: 1(-1.458,0) 2(1.458,0)
3225
  rect 1.4x1.2 smd: 1(-1.1,-0.85) 2(1.1,-0.85) 3(1.1,0.85) 4(-1.1,0.85)
